# KiCad board sizif128.kicad_pcb (continued)
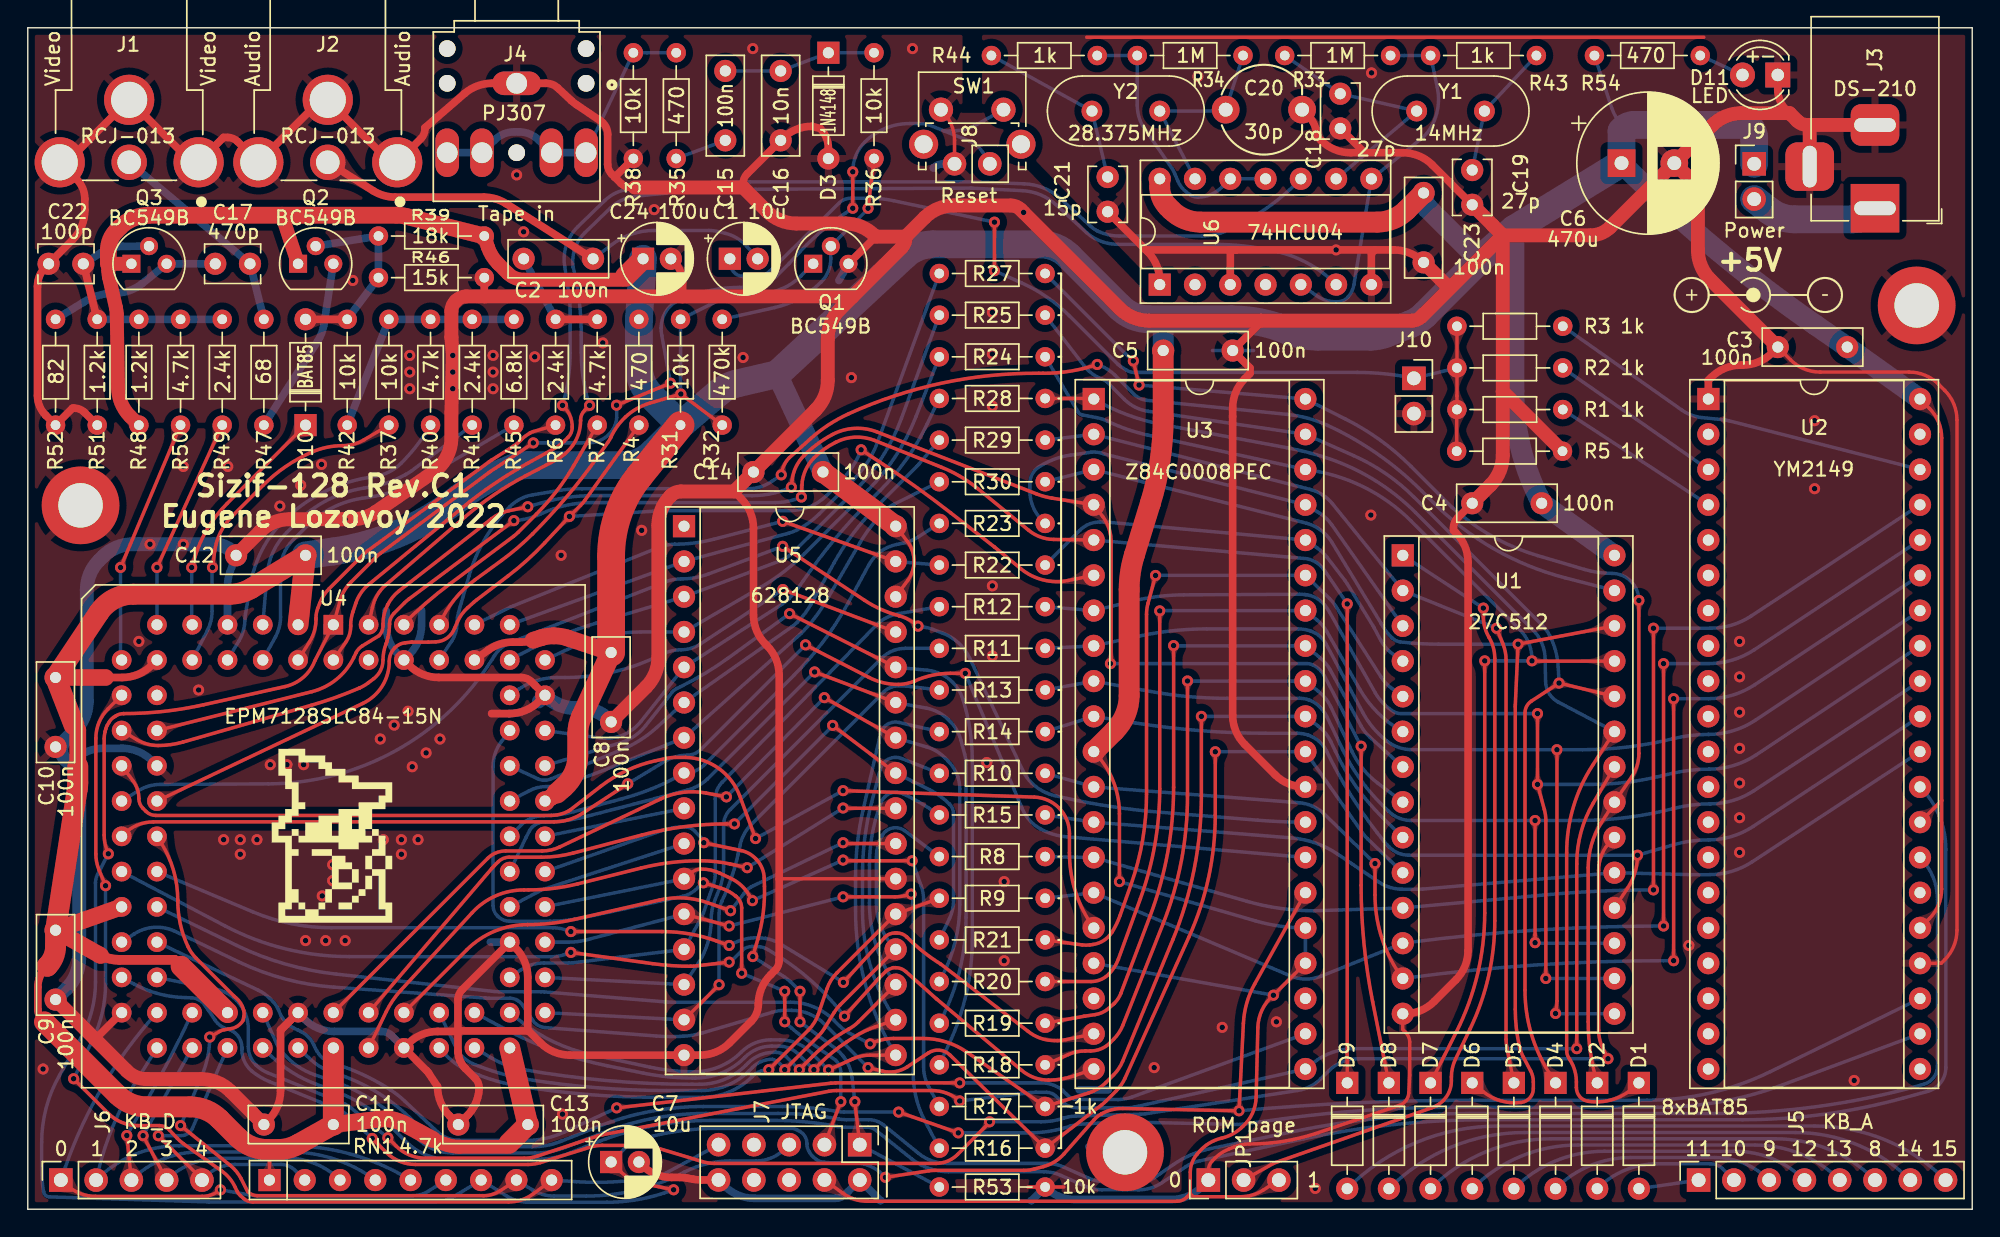
[diagram p0: board, top side]
## Copper pours and planes (outline as drawn; the poured copper is in the pictures) (continued)
A3 on Top: 82.62,39.41 82.63,39.55 82.63,39.68 82.64,39.78 82.65,39.88 82.67,39.96 82.69,40.05 82.72,40.13 82.76,40.22 82.81,40.31 82.86,40.43 82.5,40.8 82.14,40.43 82.19,40.31 82.24,40.22 82.28,40.13 82.31,40.05 82.33,39.96 82.35,39.88 82.36,39.78 82.37,39.68 82.37,39.55 82.38,39.41
A3 on Top: 75.29,13.89 75.03,13.85 74.82,13.83 74.63,13.82 74.47,13.82 74.31,13.84 74.17,13.87 74.01,13.91 73.85,13.95 73.66,14.01 73.44,14.07 72.91,13.34 73.66,12.83 73.84,12.97 74,13.09 74.14,13.19 74.27,13.28 74.4,13.36 74.54,13.43 74.69,13.49 74.87,13.54 75.08,13.59 75.33,13.64
A3 on Top: 74.6,13.77 74.43,13.75 74.3,13.74 74.18,13.76 74.08,13.79 73.99,13.83 73.9,13.87 73.8,13.92 73.7,13.98 73.58,14.03 73.44,14.07 72.91,13.34 73.66,12.83 73.78,12.92 73.87,13.01 73.95,13.1 74.02,13.18 74.09,13.25 74.16,13.32 74.25,13.38 74.35,13.44 74.48,13.48 74.64,13.52
A3 on Bottom: 83.7,40.7 83.56,40.71 83.43,40.71 83.33,40.72 83.23,40.73 83.15,40.75 83.07,40.77 82.98,40.8 82.9,40.84 82.8,40.89 82.69,40.95 82.3,40.61 82.66,40.23 82.77,40.28 82.87,40.32 82.97,40.36 83.05,40.39 83.14,40.41 83.22,40.43 83.32,40.44 83.43,40.45 83.55,40.45 83.7,40.45
A3 on Bottom: 93.7,39.21 93.54,39.43 93.41,39.62 93.3,39.78 93.21,39.93 93.13,40.07 93.05,40.21 92.98,40.35 92.9,40.52 92.72,40.92 91.68,40.83 91.81,39.8 92.03,39.76 92.23,39.72 92.42,39.7 92.59,39.68 92.74,39.64 92.89,39.59 93.04,39.52 93.19,39.41 93.34,39.26 93.49,39.06
A3 on Bottom: 90.4,40.45 90.59,40.45 90.74,40.42 90.87,40.38 90.98,40.32 91.07,40.26 91.17,40.18 91.26,40.11 91.37,40.02 91.49,39.94 91.64,39.86 92.39,40.58 91.64,41.3 91.49,41.22 91.37,41.14 91.26,41.05 91.17,40.98 91.07,40.9 90.98,40.84 90.87,40.78 90.74,40.74 90.59,40.71 90.4,40.7
A3 on Bottom: 94.08,38.48 93.94,38.82 93.8,39.11 93.66,39.34 93.53,39.54 93.39,39.72 93.26,39.9 93.13,40.09 93,40.3 92.87,40.55 92.74,40.86 91.68,40.83 91.81,39.8 92.11,39.73 92.39,39.67 92.64,39.61 92.86,39.53 93.07,39.44 93.25,39.32 93.42,39.16 93.57,38.96 93.72,38.7 93.85,38.39
A3 on Bottom: 97.14,33.37 97.36,33.17 97.53,32.99 97.67,32.83 97.78,32.68 97.87,32.52 97.94,32.37 98.01,32.2 98.08,32.01 98.16,31.8 98.26,31.56 99.3,31.59 99.22,32.63 98.97,32.7 98.76,32.76 98.56,32.81 98.39,32.86 98.23,32.92 98.07,33 97.9,33.09 97.73,33.21 97.53,33.36 97.31,33.56
A3 on Bottom: 97.74,32.83 97.87,32.7 97.97,32.58 98.03,32.46 98.08,32.35 98.1,32.24 98.12,32.12 98.14,32 98.17,31.86 98.2,31.72 98.26,31.56 99.3,31.59 99.22,32.63 99.06,32.67 98.91,32.69 98.78,32.7 98.66,32.71 98.54,32.71 98.42,32.73 98.31,32.76 98.18,32.82 98.05,32.9 97.91,33.02
A3 on Bottom: 89.6,40.45 89.89,40.45 90.14,40.43 90.35,40.4 90.53,40.36 90.7,40.31 90.86,40.25 91.03,40.17 91.21,40.08 91.41,39.98 91.64,39.86 92.39,40.58 91.64,41.3 91.41,41.18 91.21,41.08 91.03,40.99 90.86,40.91 90.7,40.85 90.53,40.8 90.35,40.76 90.14,40.73 89.89,40.71 89.6,40.7
A4 on Top: 81.62,41.91 81.63,42.05 81.63,42.18 81.64,42.28 81.65,42.38 81.67,42.46 81.69,42.55 81.72,42.63 81.76,42.72 81.81,42.81 81.86,42.93 81.5,43.3 81.14,42.93 81.19,42.81 81.24,42.72 81.28,42.63 81.31,42.55 81.33,42.46 81.35,42.38 81.36,42.28 81.37,42.18 81.37,42.05 81.38,41.91
A4 on Top: 75.34,16.52 75.08,16.53 74.87,16.54 74.68,16.57 74.52,16.6 74.37,16.64 74.23,16.7 74.09,16.76 73.93,16.84 73.76,16.93 73.56,17.03 72.9,16.4 73.56,15.77 73.76,15.87 73.93,15.96 74.09,16.04 74.23,16.1 74.37,16.16 74.52,16.2 74.68,16.23 74.87,16.26 75.08,16.27 75.34,16.27
A4 on Top: 74.64,16.52 74.48,16.53 74.34,16.56 74.23,16.59 74.14,16.64 74.05,16.69 73.97,16.75 73.88,16.82 73.79,16.89 73.68,16.96 73.56,17.03 72.9,16.4 73.56,15.77 73.68,15.84 73.79,15.91 73.88,15.98 73.97,16.05 74.05,16.11 74.14,16.16 74.23,16.21 74.34,16.24 74.48,16.27 74.64,16.27
A4 on Bottom: 97.01,35.78 97.22,35.55 97.39,35.36 97.54,35.19 97.66,35.04 97.76,34.89 97.86,34.74 97.96,34.58 98.18,34.21 98.32,33.98 99.34,34.19 99.09,35.19 98.84,35.22 98.62,35.24 98.42,35.26 98.24,35.29 98.07,35.34 97.91,35.4 97.75,35.48 97.58,35.6 97.39,35.75 97.19,35.95
A4 on Bottom: 82.7,43.24 82.55,43.25 82.43,43.25 82.32,43.26 82.22,43.27 82.14,43.29 82.05,43.31 81.97,43.34 81.87,43.38 81.77,43.42 81.66,43.47 81.3,43.09 81.69,42.75 81.8,42.81 81.9,42.86 81.98,42.9 82.07,42.93 82.15,42.95 82.23,42.97 82.33,42.98 82.43,42.99 82.56,42.99 82.7,42.99
A4 on Bottom: 93.46,41.95 93.33,42.14 93.22,42.3 93.14,42.45 93.08,42.58 93.02,42.71 92.97,42.83 92.92,42.97 92.87,43.11 92.8,43.27 92.71,43.46 91.68,43.37 91.81,42.34 92,42.31 92.17,42.29 92.48,42.26 92.61,42.25 92.74,42.22 92.87,42.17 93,42.08 93.13,41.97 93.26,41.8
A4 on Bottom: 97.6,35.22 97.75,35.09 97.85,34.96 97.94,34.85 97.99,34.74 98.04,34.63 98.08,34.51 98.12,34.4 98.17,34.27 98.23,34.13 98.32,33.98 99.34,34.19 99.09,35.19 98.93,35.21 98.78,35.2 98.64,35.19 98.52,35.17 98.4,35.16 98.28,35.17 98.17,35.18 98.04,35.23 97.91,35.3 97.76,35.41
A4 on Bottom: 90.4,42.99 90.59,42.99 90.74,42.96 90.87,42.92 90.98,42.86 91.07,42.8 91.17,42.72 91.26,42.65 91.37,42.56 91.49,42.48 91.64,42.4 92.39,43.12 91.64,43.84 91.49,43.76 91.37,43.68 91.26,43.59 91.17,43.52 91.07,43.44 90.98,43.38 90.87,43.32 90.74,43.28 90.59,43.25 90.4,43.24
A4 on Bottom: 93.75,41.47 93.6,41.74 93.47,41.97 93.36,42.16 93.27,42.34 93.18,42.5 93.1,42.66 93.02,42.82 92.93,43 92.83,43.21 92.71,43.46 91.68,43.37 91.81,42.34 92.05,42.29 92.27,42.24 92.46,42.2 92.64,42.15 92.81,42.09 92.96,42.01 93.11,41.91 93.25,41.77 93.39,41.58 93.53,41.35
A4 on Bottom: 89.6,42.99 89.89,42.99 90.14,42.97 90.35,42.94 90.53,42.9 90.7,42.85 90.86,42.79 91.03,42.71 91.21,42.62 91.41,42.52 91.64,42.4 92.39,43.12 91.64,43.84 91.41,43.72 91.21,43.62 91.03,43.53 90.86,43.45 90.7,43.39 90.53,43.34 90.35,43.3 90.14,43.27 89.89,43.25 89.6,43.24
A5 on Top: 74.64,19.34 74.48,19.37 74.35,19.41 74.25,19.46 74.16,19.52 74.08,19.58 74.01,19.65 73.94,19.73 73.85,19.81 73.76,19.9 73.64,19.98 72.9,19.45 73.47,18.73 73.61,18.79 73.72,18.84 73.82,18.9 73.92,18.95 74,19 74.1,19.05 74.2,19.08 74.31,19.1 74.45,19.1 74.61,19.09
A5 on Top: 81.01,44.47 81.05,44.61 81.09,44.73 81.12,44.83 81.16,44.91 81.2,44.99 81.24,45.06 81.29,45.14 81.35,45.21 81.42,45.29 81.5,45.39 81.25,45.84 80.81,45.58 80.83,45.45 80.85,45.35 80.86,45.25 80.87,45.16 80.87,45.08 80.86,44.99 80.85,44.9 80.83,44.79 80.8,44.67 80.77,44.53
A5 on Top: 75.34,19.24 75.09,19.28 74.87,19.32 74.69,19.37 74.54,19.43 74.4,19.49 74.26,19.56 74.13,19.65 73.99,19.75 73.82,19.86 73.64,19.98 72.9,19.45 73.47,18.73 73.68,18.81 73.87,18.87 74.03,18.93 74.18,18.97 74.33,19.01 74.48,19.03 74.65,19.04 74.83,19.04 75.05,19.03 75.3,19
A5 on Bottom: 97.53,37.99 97.67,37.81 97.77,37.66 97.86,37.52 97.92,37.4 97.98,37.28 98.03,37.16 98.08,37.03 98.13,36.89 98.21,36.74 98.29,36.56 99.32,36.7 99.14,37.73 98.96,37.75 98.79,37.76 98.64,37.76 98.5,37.76 98.37,37.76 98.24,37.78 98.12,37.82 97.99,37.89 97.86,38 97.73,38.15
A5 on Bottom: 93.8,44.09 93.59,44.3 93.43,44.48 93.29,44.65 93.19,44.81 93.1,44.96 93.03,45.12 92.97,45.29 92.9,45.48 92.83,45.69 92.74,45.94 91.7,45.94 91.74,44.9 91.99,44.82 92.21,44.76 92.4,44.7 92.57,44.64 92.73,44.57 92.89,44.49 93.05,44.4 93.22,44.27 93.41,44.11 93.62,43.91
A5 on Bottom: 89.6,45.53 89.89,45.53 90.14,45.51 90.35,45.48 90.53,45.44 90.7,45.39 90.86,45.33 91.03,45.25 91.21,45.16 91.41,45.06 91.64,44.94 92.39,45.66 91.64,46.38 91.41,46.26 91.21,46.16 91.03,46.07 90.86,45.99 90.7,45.93 90.53,45.88 90.35,45.84 90.14,45.81 89.89,45.79 89.6,45.78
A5 on Bottom: 90.4,45.53 90.59,45.53 90.74,45.5 90.87,45.46 90.98,45.4 91.07,45.34 91.17,45.26 91.26,45.19 91.37,45.1 91.49,45.02 91.64,44.94 92.39,45.66 91.64,46.38 91.49,46.3 91.37,46.22 91.26,46.13 91.17,46.06 91.07,45.98 90.98,45.92 90.87,45.86 90.74,45.82 90.59,45.79 90.4,45.78
A5 on Bottom: 93.22,44.65 93.09,44.78 93,44.91 92.94,45.03 92.9,45.14 92.87,45.26 92.86,45.37 92.84,45.5 92.82,45.63 92.79,45.78 92.74,45.94 91.7,45.94 91.74,44.9 91.91,44.85 92.05,44.83 92.18,44.81 92.31,44.8 92.43,44.79 92.54,44.77 92.66,44.74 92.78,44.68 92.91,44.59 93.05,44.47
A5 on Bottom: 97.18,38.51 97.34,38.25 97.48,38.03 97.6,37.84 97.7,37.67 97.79,37.51 97.87,37.35 97.96,37.19 98.17,36.8 98.29,36.56 99.32,36.7 99.14,37.73 98.9,37.77 98.68,37.8 98.49,37.84 98.31,37.88 98.14,37.93 97.99,38.01 97.84,38.11 97.69,38.25 97.54,38.42 97.39,38.65
A5 on Bottom: 82.4,45.78 82.25,45.79 82.13,45.79 82.02,45.8 81.93,45.81 81.84,45.83 81.76,45.85 81.67,45.88 81.58,45.92 81.48,45.96 81.37,46.01 81,45.65 81.38,45.29 81.49,45.35 81.59,45.4 81.68,45.44 81.76,45.47 81.84,45.49 81.93,45.51 82.03,45.52 82.13,45.53 82.26,45.53 82.4,45.53
A6 on Bottom: 74.64,47.97 74.46,47.79 74.29,47.65 74.15,47.53 74.01,47.44 73.87,47.37 73.73,47.31 73.59,47.25 73.42,47.2 73.23,47.13 73.02,47.06 73,46.15 73.91,46.17 73.98,46.38 74.05,46.57 74.1,46.74 74.16,46.88 74.22,47.02 74.29,47.16 74.38,47.3 74.5,47.44 74.64,47.61 74.82,47.79
A6 on Bottom: 74.14,47.47 74.02,47.36 73.91,47.28 73.81,47.23 73.71,47.19 73.61,47.17 73.51,47.16 73.4,47.15 73.29,47.13 73.16,47.1 73.02,47.06 73,46.15 73.91,46.17 73.95,46.31 73.98,46.44 74,46.55 74.01,46.66 74.02,46.76 74.04,46.86 74.08,46.96 74.13,47.06 74.21,47.17 74.32,47.29
A6 on Bottom: 93.89,46.72 93.7,46.97 93.55,47.18 93.42,47.36 93.31,47.52 93.22,47.67 93.12,47.83 93.03,47.99 92.82,48.37 92.68,48.6 91.66,48.42 91.88,47.41 92.12,47.38 92.34,47.35 92.54,47.32 92.72,47.29 92.88,47.24 93.04,47.17 93.2,47.08 93.35,46.95 93.52,46.78 93.69,46.57
A6 on Bottom: 89.6,48.29 89.89,48.26 90.13,48.22 90.34,48.17 90.52,48.12 90.68,48.05 90.84,47.97 91,47.88 91.17,47.77 91.36,47.65 91.58,47.51 92.39,48.16 91.71,48.95 91.46,48.85 91.26,48.77 91.07,48.7 90.9,48.63 90.73,48.58 90.56,48.55 90.37,48.52 90.16,48.51 89.91,48.52 89.62,48.54
A6 on Bottom: 97.66,40.4 97.78,40.24 97.88,40.1 97.94,39.97 98,39.86 98.04,39.74 98.11,39.51 98.16,39.39 98.22,39.25 98.3,39.09 99.33,39.25 99.13,40.27 98.96,40.29 98.81,40.29 98.68,40.28 98.55,40.27 98.43,40.26 98.32,40.26 98.2,40.29 98.09,40.34 97.97,40.43 97.85,40.56
A6 on Bottom: 90.4,48.22 90.58,48.19 90.73,48.15 90.85,48.1 90.96,48.03 91.05,47.96 91.13,47.88 91.22,47.79 91.32,47.7 91.44,47.61 91.58,47.51 92.39,48.16 91.71,48.95 91.55,48.88 91.42,48.81 91.31,48.74 91.21,48.67 91.11,48.6 91,48.55 90.89,48.5 90.76,48.47 90.61,48.46 90.42,48.47
A6 on Bottom: 93.54,47.17 93.39,47.35 93.28,47.5 93.18,47.64 93.11,47.77 93.04,47.89 92.99,48.01 92.93,48.13 92.86,48.27 92.78,48.42 92.68,48.6 91.66,48.42 91.88,47.41 92.07,47.39 92.24,47.39 92.54,47.39 92.68,47.39 92.81,47.37 92.94,47.33 93.07,47.26 93.2,47.16 93.35,47.01
A6 on Bottom: 97.21,41.09 97.36,40.81 97.49,40.58 97.59,40.39 97.95,39.73 98.05,39.55 98.16,39.35 98.29,39.1 99.33,39.25 99.13,40.27 98.89,40.31 98.67,40.34 98.47,40.37 98.3,40.41 98.14,40.47 97.98,40.55 97.84,40.65 97.7,40.79 97.57,40.98 97.43,41.21
A7 on Bottom: 97.52,43.9 97.69,43.66 97.82,43.45 97.91,43.26 97.99,43.09 98.04,42.92 98.08,42.75 98.11,42.57 98.14,42.37 98.17,42.15 98.21,41.89 99.23,41.69 99.39,42.72 99.16,42.84 98.96,42.95 98.78,43.04 98.63,43.13 98.48,43.23 98.34,43.34 98.2,43.46 98.06,43.62 97.9,43.81 97.73,44.05
A7 on Bottom: 97.98,43.25 98.08,43.09 98.15,42.95 98.19,42.82 98.21,42.7 98.21,42.58 98.2,42.47 98.19,42.34 98.19,42.21 98.19,42.06 98.21,41.89 99.23,41.69 99.39,42.72 99.24,42.79 99.1,42.85 98.97,42.89 98.85,42.92 98.74,42.96 98.63,43 98.52,43.05 98.41,43.13 98.3,43.25 98.19,43.39
A7 on Bottom: 72.3,50.46 72.37,50.3 72.41,50.16 72.45,50.04 72.47,49.93 72.48,49.82 72.5,49.61 72.51,49.5 72.54,49.36 72.58,49.21 73.48,49.14 73.52,50.04 73.39,50.09 73.27,50.12 73.15,50.14 73.04,50.16 72.94,50.18 72.85,50.22 72.76,50.26 72.68,50.33 72.6,50.43 72.53,50.56
A7 on Bottom: 93.99,49.38 93.81,49.63 93.65,49.84 93.52,50.02 93.4,50.17 93.17,50.46 93.06,50.6 92.94,50.77 92.81,50.96 92.66,51.18 91.65,50.94 91.92,49.94 92.17,49.93 92.4,49.92 92.6,49.91 92.79,49.9 92.97,49.87 93.13,49.81 93.29,49.73 93.45,49.61 93.61,49.45 93.78,49.23
A7 on Bottom: 89.64,51.2 89.92,51.13 90.16,51.05 90.36,50.97 90.53,50.89 90.68,50.79 90.82,50.69 90.96,50.58 91.11,50.45 91.28,50.3 91.48,50.13 92.38,50.64 91.83,51.52 91.57,51.47 91.35,51.42 91.16,51.37 90.98,51.34 90.81,51.32 90.63,51.31 90.44,51.31 90.23,51.34 89.99,51.38 89.7,51.45
A7 on Bottom: 72.08,51.16 72.13,50.89 72.19,50.67 72.23,50.49 72.28,50.32 72.38,50.02 72.42,49.87 72.47,49.7 72.51,49.5 72.56,49.27 73.48,49.14 73.52,50.04 73.15,50.2 73,50.27 72.85,50.34 72.73,50.42 72.62,50.52 72.53,50.65 72.45,50.8 72.38,50.98 72.33,51.2
A7 on Bottom: 90.42,51.01 90.6,50.95 90.74,50.89 90.85,50.82 90.94,50.74 91.02,50.65 91.09,50.56 91.17,50.46 91.25,50.35 91.35,50.24 91.48,50.13 92.38,50.64 91.83,51.52 91.66,51.48 91.52,51.43 91.4,51.38 91.29,51.33 91.18,51.28 91.07,51.24 90.95,51.21 90.82,51.2 90.66,51.21 90.48,51.25
A7 on Bottom: 93.66,49.77 93.49,49.95 93.36,50.1 93.26,50.23 93.17,50.35 93.09,50.47 93.02,50.59 92.86,50.85 92.77,51.01 92.66,51.18 91.65,50.94 91.92,49.94 92.12,49.93 92.3,49.94 92.61,49.96 92.76,49.96 92.89,49.95 93.03,49.91 93.17,49.85 93.32,49.75 93.48,49.6
A8 on Top: 111.85,39.35 112.14,39.35 112.39,39.33 112.6,39.3 112.78,39.26 112.95,39.21 113.11,39.15 113.28,39.07 113.46,38.98 113.66,38.88 113.89,38.76 114.64,39.48 113.89,40.2 113.66,40.08 113.46,39.98 113.28,39.89 113.11,39.81 112.95,39.75 112.78,39.7 112.6,39.66 112.39,39.63 112.14,39.61 111.85,39.6
A8 on Top: 101.61,10.57 101.51,10.41 101.42,10.29 101.33,10.19 101.23,10.12 101.13,10.06 101.02,10.01 100.91,9.96 100.78,9.91 100.65,9.83 100.52,9.74 100.82,8.74 101.8,9.09 101.79,9.26 101.78,9.4 101.75,9.53 101.73,9.66 101.7,9.77 101.69,9.89 101.69,10.01 101.71,10.14 101.75,10.29 101.83,10.46
A8 on Top: 101.97,11.29 101.83,11.03 101.7,10.82 101.58,10.64 101.46,10.5 101.34,10.37 101.21,10.25 101.07,10.14 100.91,10.02 100.72,9.89 100.52,9.74 100.82,8.74 101.8,9.09 101.8,9.35 101.8,9.57 101.8,9.77 101.81,9.95 101.82,10.13 101.85,10.3 101.9,10.48 101.97,10.68 102.06,10.91 102.19,11.18
A8 on Top: 112.65,39.35 112.84,39.35 112.99,39.32 113.12,39.28 113.23,39.22 113.32,39.16 113.42,39.08 113.51,39.01 113.62,38.92 113.74,38.84 113.89,38.76 114.64,39.48 113.89,40.2 113.74,40.12 113.62,40.04 113.51,39.95 113.42,39.88 113.32,39.8 113.23,39.74 113.12,39.68 112.99,39.64 112.84,39.61 112.65,39.6
A8 on Top: 109.5,39.6 109.36,39.61 109.23,39.61 109.13,39.62 109.03,39.63 108.95,39.65 108.87,39.67 108.78,39.7 108.7,39.74 108.6,39.79 108.49,39.85 108.1,39.51 108.46,39.13 108.57,39.18 108.67,39.22 108.77,39.26 108.85,39.29 108.94,39.31 109.02,39.33 109.12,39.34 109.23,39.35 109.35,39.35 109.5,39.35
A8 on Top: 105.03,38.31 105.03,38.45 105.03,38.58 105.04,38.68 105.05,38.78 105.07,38.86 105.09,38.95 105.12,39.03 105.16,39.12 105.21,39.21 105.26,39.33 104.9,39.7 104.54,39.33 104.59,39.21 104.64,39.12 104.68,39.03 104.71,38.95 104.73,38.86 104.75,38.78 104.76,38.68 104.77,38.58 104.77,38.45 104.78,38.31
A8 on Bottom: 93.59,53.11 93.41,53.17 93.26,53.23 93.14,53.3 93.04,53.37 92.95,53.46 92.87,53.54 92.79,53.64 92.69,53.73 92.58,53.83 92.44,53.94 91.59,53.34 92.23,52.52 92.38,52.57 92.52,52.64 92.63,52.7 92.74,52.76 92.85,52.82 92.95,52.86 93.07,52.9 93.2,52.91 93.35,52.9 93.53,52.87
A8 on Bottom: 74.07,60.27 73.99,60.41 73.94,60.54 73.92,60.66 73.91,60.76 73.91,60.86 73.92,60.96 73.94,61.07 73.95,61.19 73.95,61.31 73.95,61.46 73.07,61.7 72.87,60.81 72.99,60.74 73.11,60.68 73.22,60.64 73.32,60.6 73.41,60.56 73.5,60.52 73.59,60.46 73.68,60.38 73.77,60.28 73.86,60.14
A8 on Bottom: 89.63,53.67 89.91,53.6 90.15,53.53 90.35,53.46 90.52,53.38 90.68,53.29 90.82,53.19 90.96,53.08 91.12,52.96 91.29,52.81 91.5,52.65 92.38,53.19 91.8,54.06 91.55,53.99 91.33,53.94 91.14,53.89 90.96,53.85 90.79,53.82 90.61,53.8 90.43,53.8 90.21,53.82 89.97,53.86 89.68,53.91
A8 on Bottom: 107.99,40.64 108.04,40.51 108.07,40.4 108.09,40.3 108.09,40.21 108.09,40.12 108.07,40.04 108.05,39.95 108.02,39.86 107.98,39.77 107.93,39.66 108.31,39.3 108.65,39.69 108.59,39.81 108.54,39.91 108.5,40 108.46,40.09 108.43,40.17 108.39,40.26 108.28,40.58 108.22,40.73
A8 on Bottom: 106.09,39.62 105.95,39.63 105.82,39.63 105.72,39.64 105.62,39.65 105.54,39.67 105.45,39.69 105.37,39.72 105.28,39.76 105.19,39.81 105.07,39.86 104.7,39.5 105.07,39.14 105.19,39.19 105.28,39.24 105.37,39.28 105.45,39.31 105.54,39.33 105.62,39.35 105.72,39.36 105.82,39.37 105.95,39.37 106.09,39.38
A8 on Bottom: 74.43,59.67 74.3,59.89 74.2,60.08 74.13,60.25 74.07,60.41 74.04,60.56 74.01,60.71 73.99,60.87 73.98,61.04 73.97,61.24 73.95,61.46 73.07,61.7 72.87,60.81 73.06,60.69 73.22,60.59 73.37,60.49 73.5,60.4 73.62,60.31 73.73,60.21 73.84,60.08 73.96,59.94 74.08,59.76 74.21,59.54
A8 on Bottom: 90.41,53.5 90.59,53.45 90.74,53.39 90.85,53.32 90.95,53.24 91.03,53.16 91.1,53.07 91.18,52.97 91.26,52.87 91.37,52.76 91.5,52.65 92.38,53.19 91.8,54.06 91.64,54.01 91.5,53.96 91.38,53.9 91.27,53.84 91.16,53.79 91.06,53.75 90.94,53.72 90.8,53.7 90.65,53.71 90.46,53.74
A8 on Bottom: 94.37,52.89 94.08,52.99 93.84,53.07 93.64,53.16 93.47,53.24 93.31,53.33 93.16,53.43 93.01,53.53 92.66,53.78 92.44,53.94 91.59,53.34 92.23,52.52 92.47,52.59 92.68,52.66 92.87,52.72 93.05,52.77 93.22,52.8 93.39,52.82 93.58,52.81 93.78,52.78 94.02,52.73 94.29,52.65
A8 on Bottom: 107.11,39.38 107.25,39.37 107.38,39.37 107.48,39.36 107.58,39.35 107.66,39.33 107.75,39.31 107.83,39.28 107.92,39.24 108.01,39.19 108.13,39.14 108.5,39.5 108.13,39.86 108.01,39.81 107.92,39.76 107.83,39.72 107.75,39.69 107.66,39.67 107.58,39.65 107.48,39.64 107.38,39.63 107.25,39.63 107.11,39.62
A9 on Top: 108.65,11.2 108.78,10.92 108.88,10.67 108.95,10.46 109.01,10.27 109.06,10.09 109.09,9.91 109.12,9.72 109.15,9.52 109.21,9.01 110.22,8.76 110.42,9.78 110.19,9.92 109.99,10.04 109.81,10.14 109.65,10.25 109.51,10.36 109.38,10.48 109.25,10.63 109.13,10.81 109.01,11.03 108.88,11.3
A9 on Top: 112.66,37.19 112.84,37.14 112.99,37.08 113.1,37 113.19,36.93 113.27,36.84 113.35,36.75 113.42,36.65 113.51,36.54 113.61,36.44 113.73,36.32 114.63,36.85 114.07,37.72 113.91,37.68 113.77,37.63 113.64,37.57 113.53,37.52 113.43,37.47 113.32,37.43 113.2,37.4 113.06,37.39 112.91,37.4 112.72,37.43
A9 on Top: 109.01,10.48 109.1,10.29 109.16,10.13 109.19,9.99 109.21,9.86 109.21,9.74 109.21,9.62 109.2,9.49 109.19,9.35 109.19,9.19 109.21,9.01 110.22,8.76 110.42,9.78 110.26,9.87 110.12,9.93 109.99,9.98 109.87,10.03 109.75,10.07 109.64,10.13 109.54,10.2 109.43,10.3 109.33,10.43 109.23,10.59
A9 on Top: 111.89,37.38 112.17,37.3 112.41,37.23 112.6,37.15 112.77,37.07 112.93,36.98 113.07,36.88 113.21,36.76 113.36,36.64 113.53,36.49 113.73,36.32 114.63,36.85 114.07,37.72 113.82,37.66 113.6,37.61 113.4,37.56 113.22,37.53 113.05,37.5 112.88,37.49 112.69,37.49 112.48,37.52 112.23,37.56 111.95,37.62
A9 on Top: 109.32,37.14 109.44,37.22 109.55,37.29 109.64,37.34 109.73,37.38 109.81,37.41 109.89,37.43 109.98,37.45 110.07,37.47 110.18,37.49 110.3,37.5 110.42,38.01 109.91,38.11 109.84,38 109.79,37.91 109.73,37.83 109.68,37.76 109.62,37.69 109.56,37.63 109.49,37.57 109.41,37.5 109.31,37.43 109.19,37.35
A9 on Bottom: 74.2,63.37 74.1,63.51 74.04,63.63 74,63.74 73.98,63.84 73.97,63.94 73.97,64.05 73.97,64.15 73.97,64.27 73.96,64.4 73.94,64.54 73.04,64.68 72.94,63.77 73.07,63.71 73.19,63.67 73.3,63.64 73.41,63.61 73.51,63.59 73.6,63.55 73.7,63.51 73.79,63.44 73.89,63.35 74,63.22
A9 on Bottom: 74.62,62.82 74.47,63.02 74.35,63.2 74.26,63.37 74.18,63.51 74.13,63.66 74.09,63.8 74.05,63.96 74.02,64.13 73.98,64.32 73.94,64.54 73.04,64.68 72.94,63.77 73.14,63.67 73.32,63.59 73.47,63.51 73.61,63.44 73.74,63.36 73.87,63.27 73.99,63.16 74.12,63.03 74.27,62.87 74.43,62.67
A9 on Bottom: 93.49,55.29 93.33,55.37 93.2,55.46 93.1,55.55 93.02,55.65 92.96,55.74 92.9,55.85 92.85,55.96 92.78,56.08 92.7,56.2 92.6,56.34 91.62,55.98 92.02,55.02 92.19,55.03 92.33,55.06 92.46,55.09 92.58,55.12 92.7,55.15 92.81,55.17 92.93,55.18 93.07,55.17 93.22,55.13 93.39,55.06
A9 on Bottom: 109.97,39.8 110.02,39.56 110.06,39.36 110.08,39.18 110.1,39.01 110.1,38.86 110.09,38.72 110.06,38.57 110.02,38.42 109.96,38.25 109.88,38.06 110.26,37.7 110.6,38.09 110.51,38.28 110.44,38.45 110.39,38.6 110.36,38.75 110.34,38.89 110.32,39.04 110.31,39.21 110.29,39.39 110.26,39.6 110.22,39.85
A9 on Bottom: 89.61,56.04 89.9,55.99 90.14,55.94 90.34,55.88 90.52,55.82 90.68,55.74 90.83,55.65 90.98,55.55 91.14,55.44 91.33,55.31 91.54,55.16 92.39,55.76 91.75,56.58 91.5,56.5 91.29,56.43 91.1,56.37 90.92,56.31 90.76,56.27 90.58,56.24 90.39,56.23 90.18,56.23 89.93,56.25 89.64,56.29
A9 on Bottom: 94.23,54.97 93.96,55.09 93.74,55.21 93.56,55.32 93.41,55.43 93.28,55.54 93.15,55.67 93.03,55.81 92.91,55.96 92.77,56.14 92.6,56.34 91.62,55.98 92.02,55.02 92.28,55.03 92.5,55.04 92.7,55.05 92.88,55.06 93.06,55.05 93.23,55.03 93.42,54.99 93.62,54.94 93.85,54.85 94.12,54.74
A9 on Bottom: 90.4,55.93 90.58,55.89 90.73,55.84 90.85,55.78 90.95,55.71 91.04,55.63 91.12,55.55 91.2,55.46 91.29,55.36 91.41,55.26 91.54,55.16 92.39,55.76 91.75,56.58 91.59,56.52 91.46,56.46 91.34,56.4 91.23,56.33 91.13,56.27 91.02,56.22 90.91,56.18 90.78,56.16 90.62,56.16 90.43,56.17
A10 on Top: 113.49,27.91 113.6,28.06 113.71,28.18 113.81,28.26 113.91,28.33 114.02,28.37 114.13,28.41 114.25,28.45 114.38,28.5 114.51,28.56 114.66,28.64 114.45,29.66 113.45,29.41 113.43,29.24 113.44,29.09 113.45,28.96 113.46,28.84 113.48,28.72 113.48,28.6 113.47,28.48 113.43,28.35 113.37,28.21 113.28,28.05
A10 on Top: 112.5,10.63 112.52,10.44 112.53,10.28 112.51,10.14 112.49,10.02 112.45,9.91 112.4,9.8 112.35,9.68 112.3,9.56 112.25,9.41 112.21,9.25 113.11,8.71 113.6,9.63 113.49,9.75 113.37,9.84 113.27,9.93 113.17,10 113.07,10.07 112.99,10.15 112.91,10.24 112.84,10.35 112.79,10.5 112.74,10.68
A10 on Top: 116.12,42.66 116.13,42.8 116.13,42.93 116.14,43.03 116.15,43.13 116.17,43.21 116.19,43.3 116.22,43.38 116.26,43.47 116.31,43.56 116.36,43.68 116,44.05 115.64,43.68 115.69,43.56 115.74,43.47 115.78,43.38 115.81,43.3 115.83,43.21 115.85,43.13 115.86,43.03 115.87,42.93 115.87,42.8 115.88,42.66
A10 on Top: 115.87,32.64 115.82,32.18 115.74,31.8 115.62,31.48 115.47,31.21 115.29,30.98 115.07,30.78 114.82,30.59 114.53,30.41 114.2,30.22 113.84,30.01 114.01,28.99 115.04,29.27 115.09,29.69 115.18,30.04 115.29,30.34 115.43,30.61 115.57,30.87 115.72,31.13 115.85,31.41 115.97,31.75 116.06,32.14 116.12,32.62
A10 on Top: 112.37,11.43 112.4,11.13 112.42,10.87 112.43,10.66 112.43,10.46 112.41,10.29 112.39,10.11 112.35,9.93 112.26,9.51 112.21,9.25 113.11,8.71 113.6,9.63 113.43,9.82 113.28,9.98 113.15,10.13 113.03,10.27 112.93,10.42 112.85,10.57 112.77,10.74 112.71,10.94 112.66,11.18 112.61,11.46
A10 on Top: 112.74,26.35 112.87,26.74 113,27.07 113.14,27.34 113.29,27.57 113.45,27.77 113.63,27.94 113.83,28.11 114.07,28.27 114.35,28.45 114.66,28.64 114.45,29.66 113.45,29.41 113.39,29.04 113.33,28.72 113.26,28.44 113.18,28.2 113.09,27.96 112.99,27.73 112.88,27.47 112.76,27.17 112.64,26.83 112.5,26.42
A10 on Top: 115.03,30.7 114.92,30.55 114.81,30.44 114.7,30.36 114.6,30.3 114.49,30.26 114.38,30.22 114.26,30.19 114.13,30.15 113.99,30.09 113.84,30.01 114.01,28.99 115.03,29.2 115.05,29.37 115.05,29.52 115.04,29.65 115.03,29.78 115.02,29.89 115.02,30.01 115.04,30.13 115.08,30.26 115.14,30.4 115.24,30.56
A10 on Bottom: 115.54,44.9 115.61,44.8 115.66,44.7 115.7,44.61 115.72,44.52 115.73,44.44 115.73,44.36 115.72,44.28 115.69,44.19 115.66,44.09 115.62,43.99 116.02,43.65 116.33,44.08 116.25,44.19 116.19,44.29 116.14,44.38 116.1,44.46 116.01,44.62 115.96,44.71 115.9,44.81 115.83,44.92 115.74,45.05
A10 on Bottom: 93.47,57.76 93.3,57.85 93.18,57.95 93.08,58.04 93.01,58.14 92.95,58.24 92.9,58.35 92.85,58.46 92.79,58.58 92.72,58.71 92.62,58.85 91.63,58.54 91.98,57.56 92.15,57.57 92.3,57.58 92.43,57.61 92.55,57.64 92.66,57.66 92.78,57.68 92.9,57.68 93.03,57.66 93.18,57.61 93.36,57.54
A10 on Bottom: 81.21,59.39 81.06,59.4 80.94,59.42 80.84,59.43 80.75,59.45 80.66,59.48 80.58,59.51 80.5,59.55 80.42,59.59 80.32,59.64 80.22,59.71 79.81,59.38 80.16,58.99 80.27,59.03 80.37,59.07 80.46,59.1 80.55,59.12 80.63,59.14 80.72,59.15 80.81,59.16 80.92,59.16 81.04,59.15 81.19,59.14
A10 on Bottom: 74.82,66.01 74.64,66.19 74.5,66.36 74.38,66.5 74.29,66.64 74.22,66.78 74.16,66.92 74.1,67.06 74.05,67.23 73.98,67.42 73.91,67.63 73,67.65 73.02,66.74 73.23,66.67 73.42,66.6 73.59,66.55 73.73,66.49 73.87,66.43 74.01,66.36 74.15,66.27 74.29,66.15 74.46,66.01 74.64,65.83
A10 on Bottom: 90.4,58.37 90.58,58.34 90.73,58.3 90.86,58.25 90.96,58.19 91.05,58.11 91.14,58.03 91.23,57.95 91.32,57.86 91.44,57.76 91.58,57.67 92.39,58.33 91.7,59.11 91.55,59.04 91.42,58.97 91.3,58.89 91.2,58.82 91.1,58.76 91,58.7 90.89,58.66 90.76,58.63 90.6,58.61 90.42,58.62
A10 on Bottom: 89.6,58.43 89.89,58.4 90.13,58.37 90.34,58.32 90.52,58.27 90.69,58.2 90.84,58.12 91,58.03 91.17,57.93 91.36,57.81 91.58,57.67 92.39,58.33 91.7,59.11 91.46,59.01 91.25,58.92 91.07,58.85 90.9,58.79 90.73,58.74 90.56,58.7 90.37,58.67 90.16,58.66 89.91,58.67 89.62,58.68
A10 on Bottom: 74.32,66.51 74.21,66.63 74.13,66.74 74.08,66.84 74.04,66.94 74.02,67.04 74.01,67.14 74,67.25 73.98,67.36 73.95,67.49 73.91,67.63 73,67.65 73.02,66.74 73.16,66.7 73.29,66.67 73.4,66.65 73.51,66.64 73.61,66.63 73.71,66.61 73.81,66.57 73.91,66.52 74.02,66.44 74.14,66.33